# KiCad board panel.kicad_pcb (continued)
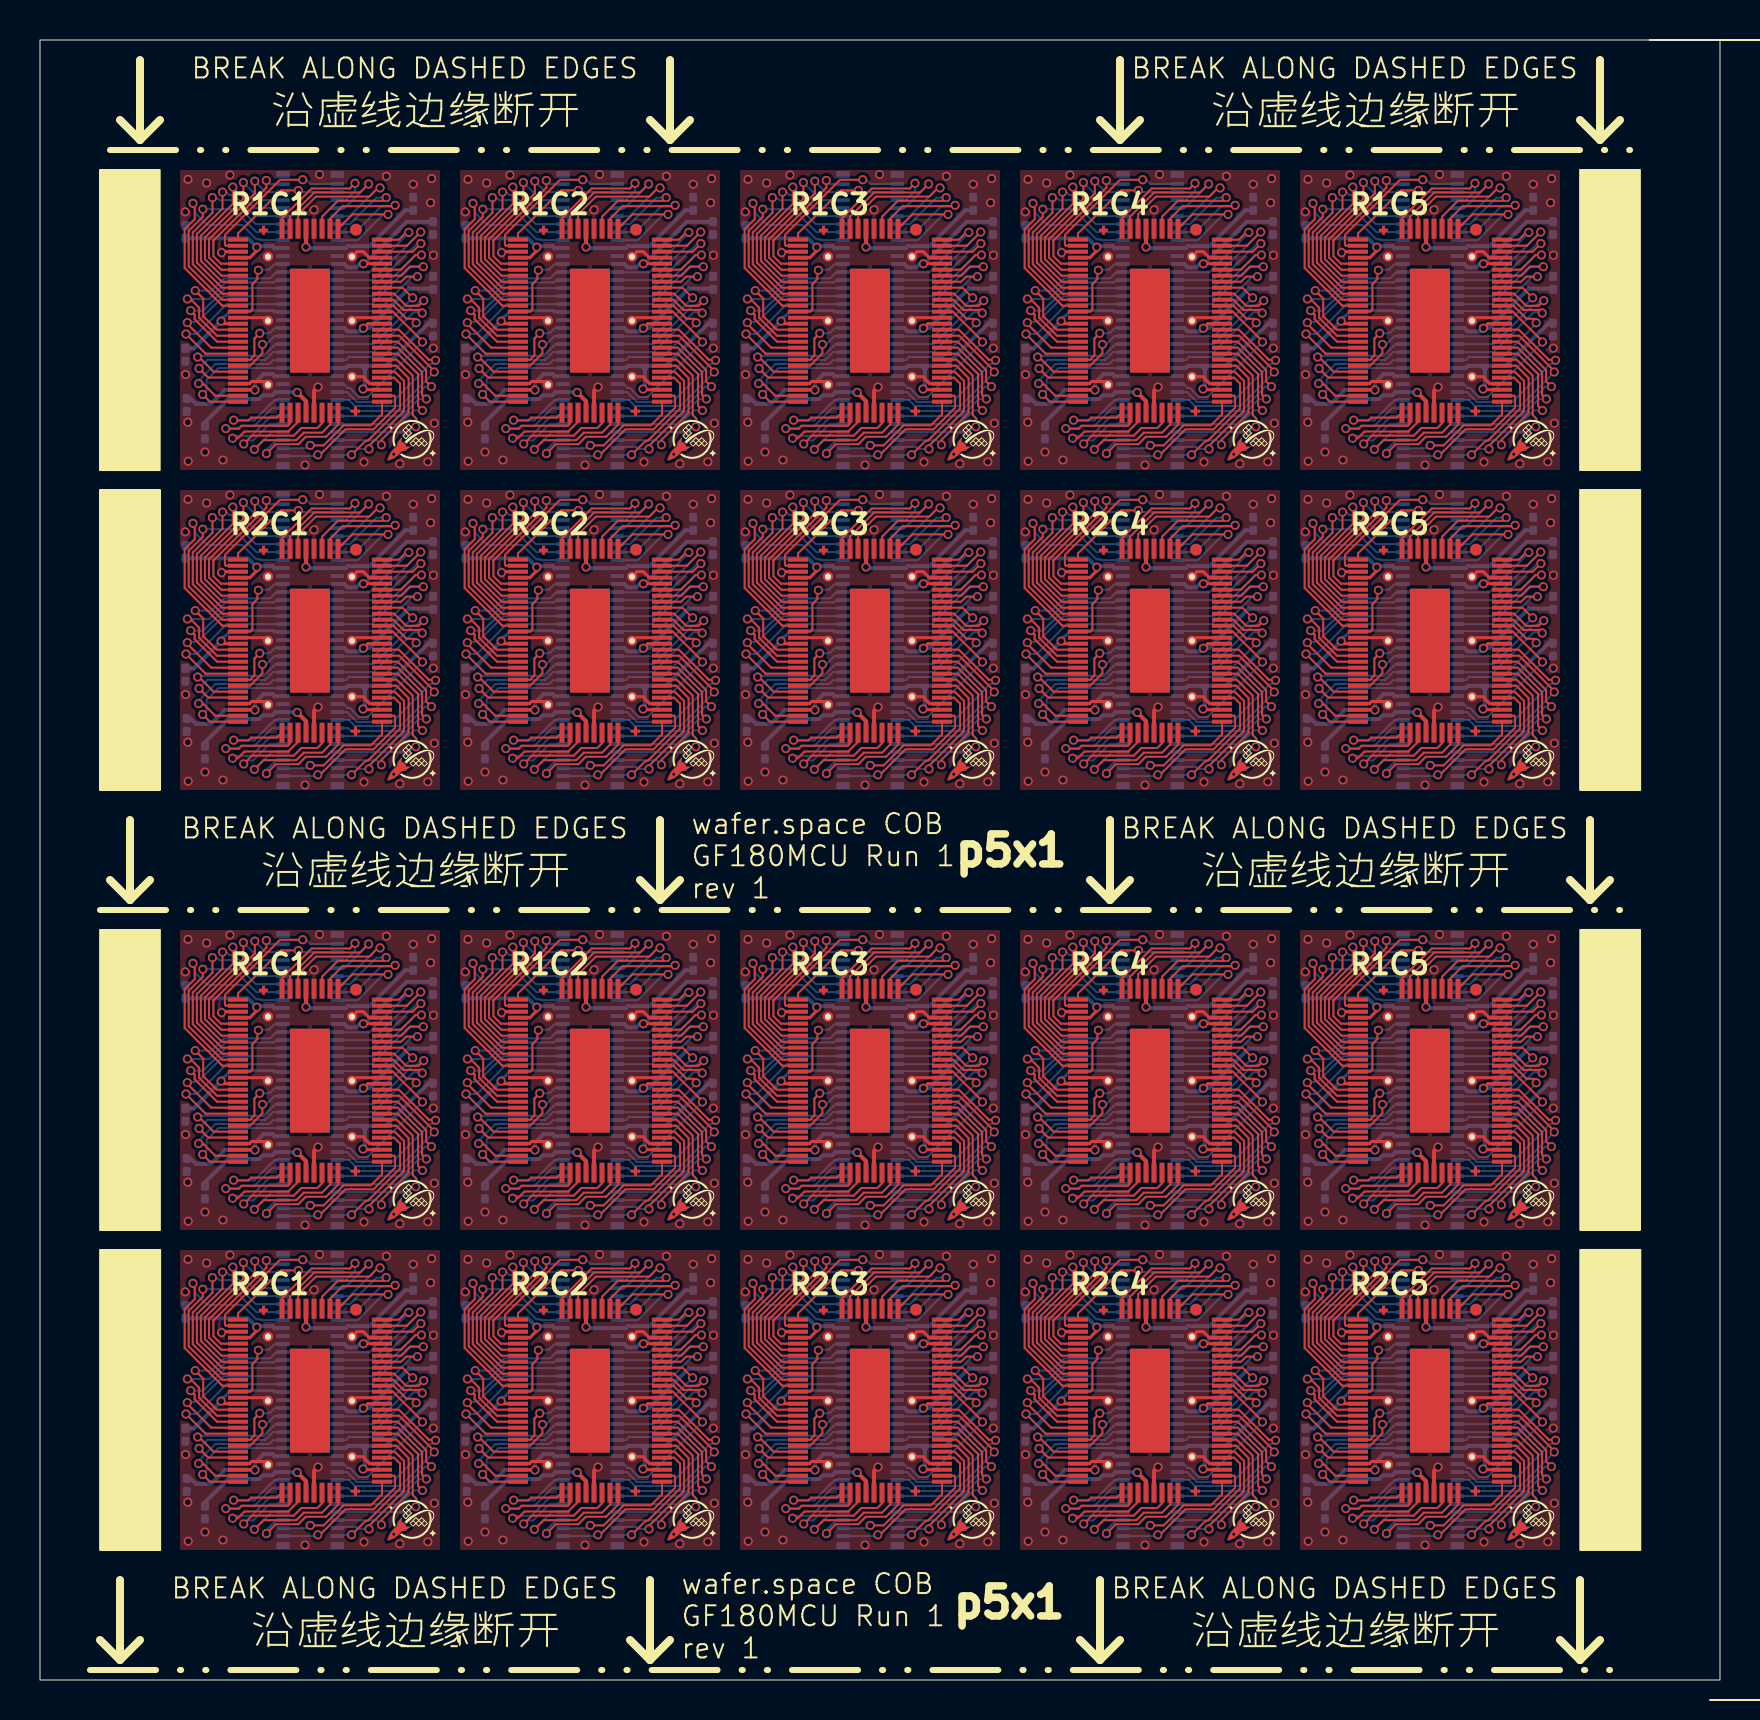
[diagram p0: board, top side]
## Routing (per net, layer and track width the routed paths; a pad name or vN(x,y) marks a point on that pad's centre or on a via; arc(x,y) is an arc through that point) (continued)
VDD_CORE_0: length 133.2
  Top w0.15: v1(38.75,48.5) 38.74,48.52 U116.34 ; v1(10.75,64.5) 10.74,64.52 U102#2.34 ; U120#2.34 66.74,48.52 v1(66.75,48.5) ; v1(10.75,26.5) 10.74,26.52 U102.34 ; v1(38.75,64.5) 38.74,64.52 U106#2.34 ; U112.34 10.74,48.52 v1(10.75,48.5) ; v1(52.75,26.5) 52.74,26.52 U108.34 ; U106.34 38.74,26.52 v1(38.75,26.5) ; U104.34 24.74,26.52 v1(24.75,26.5) ; v1(52.75,64.5) 52.74,64.52 U108#2.34 ; v1(10.75,10.5) 10.74,10.52 U112#2.34 ; v1(66.75,64.5) 66.74,64.52 U110#2.34 ; U120.34 66.74,10.52 v1(66.75,10.5) ; v1(52.75,10.5) 52.74,10.52 U118#2.34 ; v1(66.75,26.5) 66.74,26.52 U110.34 ; U114#2.34 24.74,10.52 v1(24.75,10.5) ; U118.34 52.74,48.52 v1(52.75,48.5) ; U116#2.34 38.74,10.52 v1(38.75,10.5) ; v1(24.75,64.5) 24.74,64.52 U104#2.34 ; v1(24.75,48.5) 24.74,48.52 U114.34
  Bottom w0.2: U111#2.46 11.72,11.2 11.62,11.3 11.18,11.3 10.75,10.86 v1(10.75,10.5) 9.25,10.5 8.56,9.81 7.79,9.81 7.53,10.07 C143.1 ; C151.1 21.53,10.07 21.79,9.81 22.56,9.81 23.25,10.5 v1(24.75,10.5) 24.75,10.86 25.18,11.3 25.62,11.3 25.72,11.2 U113#2.46 ; U115.46 39.72,11.2 39.62,11.3 39.18,11.3 38.75,10.86 v1(38.75,10.5) 37.25,10.5 36.56,9.81 35.79,9.81 35.53,10.07 C159#2.1 ; U107#2.46 53.72,27.2 53.62,27.3 53.18,27.3 52.75,26.86 v1(52.75,26.5) 51.25,26.5 50.56,25.81 49.79,25.81 49.53,26.07 C127#2.1 ; C151#2.1 21.53,48.07 21.79,47.81 22.56,47.81 23.25,48.5 v1(24.75,48.5) 24.75,48.86 25.18,49.3 25.62,49.3 25.72,49.2 U113.46 ; U115#2.46 39.72,49.2 39.62,49.3 39.18,49.3 38.75,48.86 v1(38.75,48.5) 37.25,48.5 36.56,47.81 35.79,47.81 35.53,48.07 C159.1 ; C119#2.1 35.53,26.07 35.79,25.81 36.56,25.81 37.25,26.5 v1(38.75,26.5) 38.75,26.86 39.18,27.3 39.62,27.3 39.72,27.2 U105.46 ; U101#2.46 11.72,27.2 11.62,27.3 11.18,27.3 10.75,26.86 v1(10.75,26.5) 9.25,26.5 8.56,25.81 7.79,25.81 7.53,26.07 C103#2.1 ; U101.46 11.72,65.19 11.62,65.3 11.18,65.3 10.75,64.86 v1(10.75,64.5) 9.25,64.5 8.56,63.81 7.79,63.81 7.53,64.07 C103.1 ; C135#2.1 63.53,26.07 63.79,25.81 64.56,25.81 65.25,26.5 v1(66.75,26.5) 66.75,26.86 67.18,27.3 67.62,27.3 67.72,27.2 U109#2.46 ; U105#2.46 39.72,65.19 39.62,65.3 39.18,65.3 38.75,64.86 v1(38.75,64.5) 37.25,64.5 36.56,63.81 35.79,63.81 35.53,64.07 C119.1 ; U117.46 53.72,11.2 53.62,11.3 53.18,11.3 52.75,10.86 v1(52.75,10.5) 51.25,10.5 50.56,9.81 49.79,9.81 49.53,10.07 C167.1 ; C111#2.1 21.53,64.07 21.79,63.81 22.56,63.81 23.25,64.5 v1(24.75,64.5) 24.75,64.86 25.18,65.3 25.62,65.3 25.72,65.19 U103#2.46 ; U119#2.46 67.72,49.2 67.62,49.3 67.18,49.3 66.75,48.86 v1(66.75,48.5) 65.25,48.5 64.56,47.81 63.79,47.81 63.53,48.07 C175#2.1 ; U111.46 11.72,49.2 11.62,49.3 11.18,49.3 10.75,48.86 v1(10.75,48.5) 9.25,48.5 8.56,47.81 7.79,47.81 7.53,48.07 C143#2.1 ; C127.1 49.53,64.07 49.79,63.81 50.56,63.81 51.25,64.5 v1(52.75,64.5) 52.75,64.86 53.18,65.3 53.62,65.3 53.72,65.19 U107.46 ; U119.46 67.72,11.2 67.62,11.3 67.18,11.3 66.75,10.86 v1(66.75,10.5) 65.25,10.5 64.56,9.81 63.79,9.81 63.53,10.07 C175.1 ; U109.46 67.72,65.19 67.62,65.3 67.18,65.3 66.75,64.86 v1(66.75,64.5) 65.25,64.5 64.56,63.81 63.79,63.81 63.53,64.07 C135.1 ; C111.1 21.53,26.07 21.79,25.81 22.56,25.81 23.25,26.5 v1(24.75,26.5) 24.75,26.86 25.18,27.3 25.62,27.3 25.72,27.2 U103.46 ; U117#2.46 53.72,49.2 53.62,49.3 53.18,49.3 52.75,48.86 v1(52.75,48.5) 51.25,48.5 50.56,47.81 49.79,47.81 49.53,48.07 C167#2.1
VDD_CORE_1: length 134.9
  Top w0.15: 30.16,16.81 30.24,16.81 30.24,16.81 U114#2.68 ; 58.16,16.81 58.24,16.81 58.24,16.81 U118#2.68 ; 44.16,54.81 44.24,54.81 44.24,54.81 U116.68 ; 72.16,54.81 72.24,54.81 72.25,54.81 U120#2.68 ; 30.16,70.81 30.24,70.81 30.24,70.81 31.1,70.81 ; 44.16,16.81 44.24,16.81 44.24,16.81 U116#2.68 ; 16.16,70.81 16.24,70.81 16.24,70.81 17.1,70.81 ; 44.16,32.81 44.24,32.81 44.24,32.81 U106.68 ; 16.16,54.81 16.24,54.81 16.24,54.81 U112.68 ; U118.68 58.24,54.81 58.24,54.81 58.16,54.81 ; 58.16,32.81 58.24,32.81 58.24,32.81 U108.68 ; U114.68 30.24,54.81 30.24,54.81 30.16,54.81 ; 72.16,70.81 72.24,70.81 72.25,70.81 73.1,70.81 ; U110.68 72.25,32.81 72.24,32.81 72.16,32.81 ; 16.16,16.81 16.24,16.81 16.24,16.81 U112#2.68 ; 45.1,70.81 44.24,70.81 44.24,70.81 44.16,70.81 ; U120.68 72.25,16.81 72.24,16.81 72.16,16.81 ; U104.68 30.24,32.81 30.24,32.81 30.16,32.81 ; U102.68 16.24,32.81 16.24,32.81 16.16,32.81 ; 58.16,70.81 58.24,70.81 58.24,70.81 59.1,70.81
  Bottom w0.2: C144.1 18.33,56.91 16.23,54.81 16.16,54.81 16.15,54.82 16,54.82 15.82,54.64 15.38,54.64 15.22,54.8 U111.11 ; C128.1 60.33,34.91 58.23,32.81 58.16,32.81 58.15,32.82 58,32.82 57.82,32.64 57.38,32.64 57.22,32.8 U107#2.11 ; U107.11 57.22,70.8 57.38,70.63 57.82,70.63 58,70.82 58.15,70.82 58.16,70.81 58.23,70.81 60.33,72.91 C128#2.1 ; U117#2.11 57.22,54.8 57.38,54.64 57.82,54.64 58,54.82 58.15,54.82 58.16,54.81 58.23,54.81 60.33,56.91 C168.1 ; U103.11 29.22,32.8 29.38,32.64 29.82,32.64 30,32.82 30.15,32.82 30.16,32.81 30.23,32.81 32.33,34.91 C112.1 ; U119.11 71.22,16.8 71.38,16.64 71.82,16.64 72,16.82 72.15,16.82 72.16,16.81 72.23,16.81 74.33,18.91 C176.1 ; C168#2.1 60.33,18.91 58.23,16.81 58.16,16.81 58.15,16.82 58,16.82 57.82,16.64 57.38,16.64 57.22,16.8 U117.11 ; C120#2.1 46.33,72.91 44.23,70.81 44.16,70.81 44.15,70.82 44,70.82 43.82,70.63 43.38,70.63 43.22,70.8 U105#2.11 ; U101#2.11 15.22,32.8 15.38,32.64 15.82,32.64 16,32.82 16.15,32.82 16.16,32.81 16.23,32.81 18.33,34.91 C104.1 ; C104#2.1 18.33,72.91 16.23,70.81 16.16,70.81 16.15,70.82 16,70.82 15.82,70.63 15.38,70.63 15.22,70.8 U101.11 ; C144#2.1 18.33,18.91 16.23,16.81 16.16,16.81 16.15,16.82 16,16.82 15.82,16.64 15.38,16.64 15.22,16.8 U111#2.11 ; U113#2.11 29.22,16.8 29.38,16.64 29.82,16.64 30,16.82 30.15,16.82 30.16,16.81 30.23,16.81 32.33,18.91 C152.1 ; C136.1 74.33,34.91 72.23,32.81 72.16,32.81 72.15,32.82 72,32.82 71.82,32.64 71.38,32.64 71.22,32.8 U109#2.11 ; C160.1 46.33,18.91 44.23,16.81 44.16,16.81 44.15,16.82 44,16.82 43.82,16.64 43.38,16.64 43.22,16.8 U115.11 ; U109.11 71.22,70.8 71.38,70.63 71.82,70.63 72,70.82 72.15,70.82 72.16,70.81 72.23,70.81 74.33,72.91 C136#2.1 ; C176#2.1 74.33,56.91 72.23,54.81 72.16,54.81 72.15,54.82 72,54.82 71.82,54.64 71.38,54.64 71.22,54.8 U119#2.11 ; U115#2.11 43.22,54.8 43.38,54.64 43.82,54.64 44,54.82 44.15,54.82 44.16,54.81 44.23,54.81 46.33,56.91 C160#2.1 ; C152#2.1 32.33,56.91 30.23,54.81 30.16,54.81 30.15,54.82 30,54.82 29.82,54.64 29.38,54.64 29.22,54.8 U113.11 ; U103#2.11 29.22,70.8 29.38,70.63 29.82,70.63 30,70.82 30.15,70.82 30.16,70.81 30.23,70.81 32.33,72.91 C112#2.1 ; U105.11 43.22,32.8 43.38,32.64 43.82,32.64 44,32.82 44.15,32.82 44.16,32.81 44.23,32.81 46.33,34.91 C120.1
  vias: v1(16.17,70.81) v1(16.17,54.81) v1(16.17,32.81) v1(16.17,16.81) v1(30.17,70.81) v1(30.17,54.81) v1(30.17,32.81) v1(30.17,16.81) v1(44.17,70.81) v1(44.17,54.81) v1(44.17,32.81) v1(44.17,16.81) v1(58.17,70.81) v1(58.17,54.81) v1(58.17,32.81) v1(58.17,16.81) v1(72.17,70.81) v1(72.17,54.81) v1(72.17,32.81) v1(72.17,16.81)
VDD_IO_0: length 127.9
  Top w0.15: v1(24.84,55.64) 24.84,55.46 24.49,55.11 23.9,55.11 ; v1(66.84,71.64) 66.84,71.46 66.5,71.12 U110#2.12 ; v1(66.84,55.64) 66.84,55.46 66.5,55.11 65.9,55.11 ; U106#2.12 38.49,71.12 38.84,71.46 v1(38.84,71.64) ; 65.9,17.11 66.5,17.11 66.84,17.46 v1(66.84,17.64) ; v1(24.84,71.64) 24.84,71.46 24.49,71.12 U104#2.12 ; U102#2.12 10.49,71.12 10.84,71.46 v1(10.84,71.64) ; 51.9,17.11 52.49,17.11 52.84,17.46 v1(52.84,17.64) ; v1(24.84,17.64) 24.84,17.46 24.49,17.11 23.9,17.11 ; v1(24.84,33.64) 24.84,33.46 24.49,33.11 23.9,33.11 ; U108#2.12 52.49,71.12 52.84,71.46 v1(52.84,71.64) ; 65.9,33.11 66.5,33.11 66.84,33.46 v1(66.84,33.64) ; 9.9,17.11 10.49,17.11 10.84,17.46 v1(10.84,17.64) ; v1(38.84,33.64) 38.84,33.46 38.49,33.11 37.9,33.11 ; v1(10.84,33.64) 10.84,33.46 10.49,33.11 9.9,33.11 ; v1(52.84,55.64) 52.84,55.46 52.49,55.11 51.9,55.11 ; v1(10.84,55.64) 10.84,55.46 10.49,55.11 9.9,55.11 ; v1(38.84,55.64) 38.84,55.46 38.49,55.11 37.9,55.11 ; v1(52.84,33.64) 52.84,33.46 52.49,33.11 51.9,33.11 ; v1(38.84,17.64) 38.84,17.46 38.49,17.11 37.9,17.11
  Bottom w0.2: C123.1 38.4,72.09 v1(38.84,71.64) 38.9,71.69 39.62,71.69 39.72,71.59 U105#2.62 ; U111#2.62 11.72,17.59 11.62,17.7 10.9,17.7 v1(10.84,17.64) 10.4,18.08 C147.1 ; U117.62 53.72,17.59 53.62,17.7 52.9,17.7 v1(52.84,17.64) 52.4,18.08 C171.1 ; U115#2.62 39.72,55.59 39.62,55.7 38.9,55.7 v1(38.84,55.64) 38.4,56.08 C163#2.1 ; C107.1 10.4,72.09 v1(10.84,71.64) 10.9,71.69 11.62,71.69 11.72,71.59 U101.62 ; U105.62 39.72,33.59 39.62,33.7 38.9,33.7 v1(38.84,33.64) 38.4,34.08 C123#2.1 ; U107.62 53.72,71.59 53.62,71.69 52.9,71.69 v1(52.84,71.64) 52.4,72.09 C131.1 ; C179#2.1 66.4,18.08 v1(66.84,17.64) 66.9,17.7 67.62,17.7 67.72,17.59 U119.62 ; C139#2.1 66.4,34.08 v1(66.84,33.64) 66.9,33.7 67.62,33.7 67.72,33.59 U109#2.62 ; U103#2.62 25.72,71.59 25.62,71.69 24.9,71.69 v1(24.84,71.64) 24.4,72.09 C115.1 ; C115#2.1 24.4,34.08 v1(24.84,33.64) 24.9,33.7 25.62,33.7 25.72,33.59 U103.62 ; U101#2.62 11.72,33.59 11.62,33.7 10.9,33.7 v1(10.84,33.64) 10.4,34.08 C107#2.1 ; C147#2.1 10.4,56.08 v1(10.84,55.64) 10.9,55.7 11.62,55.7 11.72,55.59 U111.62 ; U109.62 67.72,71.59 67.62,71.69 66.9,71.69 v1(66.84,71.64) 66.4,72.09 C139.1 ; U107#2.62 53.72,33.59 53.62,33.7 52.9,33.7 v1(52.84,33.64) 52.4,34.08 C131#2.1 ; C171#2.1 52.4,56.08 v1(52.84,55.64) 52.9,55.7 53.62,55.7 53.72,55.59 U117#2.62 ; U115.62 39.72,17.59 39.62,17.7 38.9,17.7 v1(38.84,17.64) 38.4,18.08 C163.1 ; U119#2.62 67.72,55.59 67.62,55.7 66.9,55.7 v1(66.84,55.64) 66.4,56.08 C179.1 ; C155#2.1 24.4,56.08 v1(24.84,55.64) 24.9,55.7 25.62,55.7 25.72,55.59 U113.62 ; U113#2.62 25.72,17.59 25.62,17.7 24.9,17.7 v1(24.84,17.64) 24.4,18.08 C155.1
VDD_IO_1: length 132.5
  Top w0.2: U106#2.40 41.3,63.94 v1(40.86,64.38) ; v1(26.86,64.38) 27.3,63.94 U104#2.40 ; v1(68.86,26.38) 69.3,25.94 U110.40 ; U104.40 27.3,25.94 v1(26.86,26.38) ; U120.40 69.3,9.94 v1(68.86,10.38) ; U112#2.40 13.3,9.94 v1(12.86,10.38) ; U116#2.40 41.3,9.94 v1(40.86,10.38) ; v1(54.86,10.38) 55.3,9.94 U118#2.40 ; v1(12.86,64.38) 13.3,63.94 U102#2.40 ; v1(12.86,48.38) 13.3,47.94 U112.40 ; U118.40 55.3,47.94 v1(54.86,48.38) ; U120#2.40 69.3,47.94 v1(68.86,48.38) ; U108#2.40 55.3,63.94 v1(54.86,64.38) ; U114.40 27.3,47.94 v1(26.86,48.38) ; U102.40 13.3,25.94 v1(12.86,26.38) ; U116.40 41.3,47.94 v1(40.86,48.38) ; U108.40 55.3,25.94 v1(54.86,26.38) ; v1(26.86,10.38) 27.3,9.94 U114#2.40 ; v1(40.86,26.38) 41.3,25.94 U106.40 ; v1(68.86,64.38) 69.3,63.94 U110#2.40
  Bottom w0.2: C125#2.1 50.25,24.89 51.41,26.05 52.95,26.05 53.13,26.23 53.62,26.23 53.78,26.39 54.85,26.39 v1(54.86,26.38) ; v1(40.86,48.38) 40.85,48.39 39.78,48.39 39.62,48.23 39.13,48.23 38.95,48.05 37.41,48.05 36.25,46.89 C157#2.1 ; v1(54.86,10.38) 54.85,10.39 53.78,10.39 53.62,10.23 53.13,10.23 52.95,10.05 51.41,10.05 50.25,8.89 C165.1 ; C117#2.1 36.25,62.89 37.41,64.05 38.95,64.05 39.13,64.23 39.62,64.23 39.78,64.4 U105#2.44 40.85,64.4 v1(40.86,64.38) ; v1(68.86,10.38) 68.84,10.39 67.78,10.39 67.62,10.23 67.13,10.23 66.95,10.05 65.41,10.05 64.25,8.89 C173.1 ; v1(12.86,64.38) 12.85,64.4 U101.44 11.78,64.4 11.62,64.23 11.13,64.23 10.95,64.05 9.41,64.05 8.25,62.89 C101#2.1 ; C149#2.1 22.25,46.89 23.41,48.05 24.95,48.05 25.13,48.23 25.62,48.23 25.78,48.39 26.85,48.39 v1(26.86,48.38) ; v1(40.86,10.38) 40.85,10.39 39.78,10.39 39.62,10.23 39.13,10.23 38.95,10.05 37.41,10.05 36.25,8.89 C157.1 ; C133#2.1 64.25,62.89 65.41,64.05 66.95,64.05 67.13,64.23 67.62,64.23 67.78,64.4 U109.44 68.84,64.4 v1(68.86,64.38) ; C149.1 22.25,8.89 23.41,10.05 24.95,10.05 25.13,10.23 25.62,10.23 25.78,10.39 26.85,10.39 v1(26.86,10.38) ; C165#2.1 50.25,46.89 51.41,48.05 52.95,48.05 53.13,48.23 53.62,48.23 53.78,48.39 54.85,48.39 v1(54.86,48.38) ; v1(12.86,26.38) 12.85,26.39 11.78,26.39 11.62,26.23 11.13,26.23 10.95,26.05 9.41,26.05 8.25,24.89 C101.1 ; v1(26.86,64.38) 26.85,64.4 U103#2.44 25.78,64.4 25.62,64.23 25.13,64.23 24.95,64.05 23.41,64.05 22.25,62.89 C109#2.1 ; v1(68.86,26.38) 68.84,26.39 67.78,26.39 67.62,26.23 67.13,26.23 66.95,26.05 65.41,26.05 64.25,24.89 C133.1 ; C117.1 36.25,24.89 37.41,26.05 38.95,26.05 39.13,26.23 39.62,26.23 39.78,26.39 40.85,26.39 v1(40.86,26.38) ; v1(12.86,10.38) 12.85,10.39 11.78,10.39 11.62,10.23 11.13,10.23 10.95,10.05 9.41,10.05 8.25,8.89 C141.1 ; v1(26.86,26.38) 26.85,26.39 25.78,26.39 25.62,26.23 25.13,26.23 24.95,26.05 23.41,26.05 22.25,24.89 C109.1 ; v1(54.86,64.38) 54.85,64.4 U107.44 53.78,64.4 53.62,64.23 53.13,64.23 52.95,64.05 51.41,64.05 50.25,62.89 C125.1 ; v1(68.86,48.38) 68.84,48.39 67.78,48.39 67.62,48.23 67.13,48.23 66.95,48.05 65.41,48.05 64.25,46.89 C173#2.1 ; C141#2.1 8.25,46.89 9.41,48.05 10.95,48.05 11.13,48.23 11.62,48.23 11.78,48.39 12.85,48.39 v1(12.86,48.38)
VDD_IO_2: length 164.6
  Top w0.15: U118.47 58.18,48.52 v1(58.15,48.55) ; U108#2.47 58.18,64.52 v1(58.15,64.55) ; v1(44.15,10.55) 44.18,10.52 U116#2.47 ; U110#2.47 72.19,64.52 v1(72.15,64.55) ; v1(16.15,26.55) 16.18,26.52 U102.47 ; v1(58.15,26.55) 58.18,26.52 U108.47 ; U118#2.47 58.18,10.52 v1(58.15,10.55) ; U116.47 44.18,48.52 v1(44.15,48.55) ; v1(44.15,26.55) 44.18,26.52 U106.47 ; U104.47 30.18,26.52 v1(30.15,26.55) ; v1(16.15,10.55) 16.18,10.52 U112#2.47 ; U114.47 30.18,48.52 v1(30.15,48.55) ; v1(16.15,64.55) 16.18,64.52 U102#2.47 ; U112.47 16.18,48.52 v1(16.15,48.55) ; v1(72.15,48.55) 72.19,48.52 U120#2.47 ; U120.47 72.19,10.52 v1(72.15,10.55) ; U104#2.47 30.18,64.52 v1(30.15,64.55) ; U114#2.47 30.18,10.52 v1(30.15,10.55) ; v1(44.15,64.55) 44.18,64.52 U106#2.47 ; v1(72.15,26.55) 72.19,26.52 U110.47
  Bottom w0.2: 16.25,49.51 16.25,49.56 16.4,49.71 ; 16.25,49.51 16.05,49.71 ; 16.25,49.51 16.25,48.65 v1(16.15,48.55) ; C132#2.1 61.42,29.84 61.26,29.68 61.26,29.67 60.99,29.41 60.99,29.41 59.29,27.71 58.4,27.71 ; 30.25,65.51 30.25,65.56 30.4,65.71 ; 30.25,65.51 30.05,65.71 ; 30.25,65.51 30.25,64.65 v1(30.15,64.55) ; 44.25,49.51 44.25,48.65 v1(44.15,48.55) ; 44.25,49.51 44.05,49.71 ; 44.25,49.51 44.25,49.56 44.4,49.71 ; 16.25,27.51 16.25,26.65 v1(16.15,26.55) ; 16.25,27.51 16.25,27.56 16.4,27.71 ; 16.25,27.51 16.05,27.71 ; 16.4,27.71 17.29,27.71 18.99,29.41 18.99,29.41 19.26,29.67 19.26,29.68 19.42,29.84 C108.1 ; 16.4,27.71 16.05,27.71 ; v1(30.15,48.55) 30.25,48.65 30.25,49.51 ; 58.05,27.71 57.4,27.71 57.28,27.59 U107#2.24 ; 58.05,27.71 58.4,27.71 ; 58.05,27.71 58.25,27.51 ; 30.05,27.71 29.4,27.71 29.28,27.59 U103.24 ; 30.05,27.71 30.25,27.51 ; 30.05,27.71 30.4,27.71 ; 30.4,11.71 31.29,11.71 32.99,13.41 32.99,13.41 33.26,13.67 33.26,13.68 33.42,13.84 C156.1 ; 30.4,11.71 30.05,11.71 ; 30.4,11.71 30.25,11.56 30.25,11.51 ; 58.4,65.71 58.25,65.56 58.25,65.51 ; 58.4,65.71 58.05,65.71 ; 58.4,65.71 59.29,65.71 60.99,67.41 60.99,67.41 61.26,67.67 61.26,67.68 61.42,67.84 C132.1 ; 16.4,49.71 16.05,49.71 ; 16.4,49.71 17.29,49.71 18.99,51.41 18.99,51.41 19.26,51.67 19.26,51.68 19.42,51.84 C148#2.1 ; 16.05,49.71 15.4,49.71 15.28,49.59 U111.24 ; 44.4,27.71 44.05,27.71 ; 44.4,27.71 45.29,27.71 46.99,29.41 46.99,29.41 47.26,29.67 47.26,29.68 47.42,29.84 C124.1 ; 44.4,27.71 44.25,27.56 44.25,27.51 ; 44.05,27.71 43.4,27.71 43.28,27.59 U105.24 ; 44.05,27.71 44.25,27.51 ; 30.4,49.71 31.29,49.71 32.99,51.41 32.99,51.41 33.26,51.67 33.26,51.68 33.42,51.84 C156#2.1 ; 30.4,49.71 30.25,49.56 30.25,49.51 ; 30.4,49.71 30.05,49.71 ; v1(58.15,48.55) 58.25,48.65 58.25,49.51 ; 16.25,65.51 16.25,65.56 16.4,65.71 ; 16.25,65.51 16.25,64.65 v1(16.15,64.55) ; 16.25,65.51 16.05,65.71 ; 58.25,11.51 58.25,11.56 58.4,11.71 ; 58.25,11.51 58.25,10.65 v1(58.15,10.55) ; 58.25,11.51 58.05,11.71 ; 58.4,27.71 58.25,27.56 58.25,27.51 ; 72.05,49.71 71.4,49.71 71.28,49.59 U119#2.24 ; 72.05,49.71 72.25,49.51 ; 72.05,49.71 72.4,49.71 ; 44.4,49.71 45.29,49.71 46.99,51.41 46.99,51.41 47.26,51.67 47.26,51.68 47.42,51.84 C164#2.1 ; 44.4,49.71 44.05,49.71 ; 58.05,49.71 58.25,49.51 ; 58.05,49.71 57.4,49.71 57.28,49.59 U117#2.24 ; 58.05,49.71 58.4,49.71 ; 58.25,49.51 58.25,49.56 58.4,49.71 ; 44.25,27.51 44.25,26.65 v1(44.15,26.55) ; U117.24 57.28,11.59 57.4,11.71 58.05,11.71 ; 16.05,11.71 15.4,11.71 15.28,11.59 U111#2.24 ; 16.05,11.71 16.25,11.51 ; 16.05,11.71 16.4,11.71 ; 72.25,49.51 72.25,48.65 v1(72.15,48.55) ; 72.25,49.51 72.25,49.56 72.4,49.71 ; 72.4,65.71 72.25,65.56 72.25,65.51 ; 72.4,65.71 73.29,65.71 74.99,67.41 74.99,67.41 75.26,67.67 75.26,67.68 75.42,67.84 C140.1 ; 72.4,65.71 72.05,65.71 ; 72.25,11.51 72.25,10.65 v1(72.15,10.55) ; 72.25,11.51 72.25,11.56 72.4,11.71 ; 72.25,11.51 72.05,11.71 ; C140#2.1 75.42,29.84 75.26,29.68 75.26,29.67 74.99,29.41 74.99,29.41 73.29,27.71 72.4,27.71 ; 58.05,65.71 57.4,65.71 57.28,65.59 U107.24 ; 58.05,65.71 58.25,65.51 ; 44.05,49.71 43.4,49.71 43.28,49.59 U115#2.24 ; 58.25,65.51 58.25,64.65 v1(58.15,64.55) ; 72.05,27.71 71.4,27.71 71.28,27.59 U109#2.24 ; 72.05,27.71 72.25,27.51 ; 72.05,27.71 72.4,27.71 ; 44.25,65.51 44.25,64.65 v1(44.15,64.55) ; 44.25,65.51 44.25,65.56 44.4,65.71 ; 44.25,65.51 44.05,65.71 ; U103#2.24 29.28,65.59 29.4,65.71 30.05,65.71 ; 30.25,11.51 30.05,11.71 ; 30.25,11.51 30.25,10.65 v1(30.15,10.55) ; 16.25,11.51 16.25,11.56 16.4,11.71 ; 16.25,11.51 16.25,10.65 v1(16.15,10.55) ; 44.05,11.71 44.25,11.51 ; 44.05,11.71 43.4,11.71 43.28,11.59 U115.24 ; 44.05,11.71 44.4,11.71 ; 44.25,11.51 44.25,10.65 v1(44.15,10.55) ; 44.25,11.51 44.25,11.56 44.4,11.71 ; 30.25,49.51 30.05,49.71 ; 58.4,11.71 58.05,11.71 ; 58.4,11.71 59.29,11.71 60.99,13.41 60.99,13.41 61.26,13.67 61.26,13.68 61.42,13.84 C172.1 ; 16.05,27.71 15.4,27.71 15.28,27.59 U101#2.24 ; 72.4,11.71 73.29,11.71 74.99,13.41 74.99,13.41 75.26,13.67 75.26,13.68 75.42,13.84 C180#2.1 ; 72.4,11.71 72.05,11.71 ; C164.1 47.42,13.84 47.26,13.68 47.26,13.67 46.99,13.41 46.99,13.41 45.29,11.71 44.4,11.71 ; 30.25,27.51 30.25,27.56 30.4,27.71 ; 30.25,27.51 30.25,26.65 v1(30.15,26.55) ; 16.4,65.71 16.05,65.71 ; 16.4,65.71 17.29,65.71 18.99,67.41 18.99,67.41 19.26,67.67 19.26,67.68 19.42,67.84 C108#2.1 ; 16.05,65.71 15.4,65.71 15.28,65.59 U101.24 ; 72.25,65.51 72.05,65.71 ; 72.25,65.51 72.25,64.65 v1(72.15,64.55) ; 72.25,27.51 72.25,27.56 72.4,27.71 ; 72.25,27.51 72.25,26.65 v1(72.15,26.55) ; 30.05,11.71 29.4,11.71 29.28,11.59 U113#2.24 ; 58.25,27.51 58.25,26.65 v1(58.15,26.55) ; 72.05,65.71 71.4,65.71 71.28,65.59 U109.24 ; 16.4,11.71 17.29,11.71 18.99,13.41 18.99,13.41 19.26,13.67 19.26,13.68 19.42,13.84 C148.1 ; 72.05,11.71 71.4,11.71 71.28,11.59 U119.24 ; 30.4,27.71 31.29,27.71 32.99,29.41 32.99,29.41 33.26,29.67 33.26,29.68 33.42,29.84 C116#2.1 ; 58.4,49.71 59.29,49.71 60.99,51.41 60.99,51.41 61.26,51.67 61.26,51.68 61.42,51.84 C172#2.1 ; 30.05,65.71 30.4,65.71 ; U113.24 29.28,49.59 29.4,49.71 30.05,49.71 ; 44.4,65.71 44.05,65.71 ; 44.4,65.71 45.29,65.71 46.99,67.41 46.99,67.41 47.26,67.67 47.26,67.68 47.42,67.84 C124#2.1 ; 44.05,65.71 43.4,65.71 43.28,65.59 U105#2.24 ; 30.4,65.71 31.29,65.71 32.99,67.41 32.99,67.41 33.26,67.67 33.26,67.68 33.42,67.84 C116.1 ; 72.4,49.71 73.29,49.71 74.99,51.41 74.99,51.41 75.26,51.67 75.26,51.68 75.42,51.84 C180.1
VDD_IO_3: length 141.7
  Top w0.2: U118.5 v1(55.3,55.65) ; U104.5 v1(27.3,33.65) ; U110.5 v1(69.3,33.65) ; U104#2.5 v1(27.3,71.65) ; U120.5 v1(69.3,17.65) ; U110#2.5 v1(69.3,71.65) ; U118#2.5 v1(55.3,17.65) ; U106.5 v1(41.3,33.65) ; U108#2.5 v1(55.3,71.65) ; U112#2.5 v1(13.3,17.65) ; U112.5 v1(13.3,55.65) ; U114.5 v1(27.3,55.65) ; U116#2.5 v1(41.3,17.65) ; U108.5 v1(55.3,33.65) ; U120#2.5 v1(69.3,55.65) ; U114#2.5 v1(27.3,17.65) ; U102.5 v1(13.3,33.65) ; U102#2.5 v1(13.3,71.65) ; U106#2.5 v1(41.3,71.65) ; U116.5 v1(41.3,55.65)
  Bottom w0.2: C134.1 74.27,73.49 72.47,71.69 71.38,71.69 71.28,71.59 U109.9 69.35,71.59 v1(69.3,71.65) ; v1(41.3,55.65) 41.35,55.59 U115#2.9 43.28,55.59 43.38,55.7 44.48,55.7 46.27,57.49 C158.1 ; C110#2.1 32.27,35.49 30.48,33.7 29.38,33.7 29.28,33.59 U103.9 27.35,33.59 v1(27.3,33.65) ; v1(55.3,55.65) 55.35,55.59 U117#2.9 57.28,55.59 57.38,55.7 58.48,55.7 60.27,57.49 C166#2.1 ; v1(69.3,33.65) 69.35,33.59 U109#2.9 71.28,33.59 71.38,33.7 72.47,33.7 74.27,35.49 C134#2.1 ; C158#2.1 46.27,19.49 44.48,17.7 43.38,17.7 43.28,17.59 U115.9 41.35,17.59 v1(41.3,17.65) ; v1(13.3,71.65) 13.35,71.59 U101.9 15.28,71.59 15.38,71.69 16.48,71.69 18.27,73.49 C102#2.1 ; C166.1 60.27,19.49 58.48,17.7 57.38,17.7 57.28,17.59 U117.9 55.35,17.59 v1(55.3,17.65) ; C118.1 46.27,73.49 44.48,71.69 43.38,71.69 43.28,71.59 U105#2.9 41.35,71.59 v1(41.3,71.65) ; v1(27.3,71.65) 27.35,71.59 U103#2.9 29.28,71.59 29.38,71.69 30.48,71.69 32.27,73.49 C110.1 ; C174.1 74.27,19.49 72.47,17.7 71.38,17.7 71.28,17.59 U119.9 69.35,17.59 v1(69.3,17.65) ; C142.1 18.27,57.49 16.48,55.7 15.38,55.7 15.28,55.59 U111.9 13.35,55.59 v1(13.3,55.65) ; C126#2.1 60.27,35.49 58.48,33.7 57.38,33.7 57.28,33.59 U107#2.9 55.35,33.59 v1(55.3,33.65) ; C102.1 18.27,35.49 16.48,33.7 15.38,33.7 15.28,33.59 U101#2.9 13.35,33.59 v1(13.3,33.65) ; v1(55.3,71.65) 55.35,71.59 U107.9 57.28,71.59 57.38,71.69 58.48,71.69 60.27,73.49 C126.1 ; C150.1 32.27,19.49 30.48,17.7 29.38,17.7 29.28,17.59 U113#2.9 27.35,17.59 v1(27.3,17.65) ; v1(27.3,55.65) 27.35,55.59 U113.9 29.28,55.59 29.38,55.7 30.48,55.7 32.27,57.49 C150#2.1 ; C118#2.1 46.27,35.49 44.48,33.7 43.38,33.7 43.28,33.59 U105.9 41.35,33.59 v1(41.3,33.65) ; C174#2.1 74.27,57.49 72.47,55.7 71.38,55.7 71.28,55.59 U119#2.9 69.35,55.59 v1(69.3,55.65) ; C142#2.1 18.27,19.49 16.48,17.7 15.38,17.7 15.28,17.59 U111#2.9 13.35,17.59 v1(13.3,17.65)
/an_0: length 109.5
  Top w0.1: U104#2.37 25.85,63.12 24.56,63.12 24.42,62.98 23.69,62.98 v1(23.68,62.99) ; v1(23.68,46.99) 23.69,46.98 24.42,46.98 24.56,47.12 25.85,47.12 U114.37 ; v1(9.68,8.99) 9.69,8.98 10.42,8.98 10.56,9.12 11.85,9.12 U112#2.37 ; v1(9.68,62.99) 9.69,62.98 10.42,62.98 10.56,63.12 11.85,63.12 U102#2.37 ; v1(51.68,8.99) 51.69,8.98 52.42,8.98 52.56,9.12 53.85,9.12 U118#2.37 ; U110.37 67.85,25.12 66.56,25.12 66.42,24.98 65.69,24.98 v1(65.68,24.99) ; U110#2.37 67.85,63.12 66.56,63.12 66.42,62.98 65.69,62.98 v1(65.68,62.99) ; U116#2.37 39.85,9.12 38.56,9.12 38.42,8.98 37.69,8.98 v1(37.68,8.99) ; v1(37.68,24.99) 37.69,24.98 38.42,24.98 38.56,25.12 39.85,25.12 U106.37 ; U108#2.37 53.85,63.12 52.56,63.12 52.42,62.98 51.69,62.98 v1(51.68,62.99) ; U108.37 53.85,25.12 52.56,25.12 52.42,24.98 51.69,24.98 v1(51.68,24.99) ; U120.37 67.85,9.12 66.56,9.12 66.42,8.98 65.69,8.98 v1(65.68,8.99) ; v1(9.68,46.99) 9.69,46.98 10.42,46.98 10.56,47.12 11.85,47.12 U112.37 ; U104.37 25.85,25.12 24.56,25.12 24.42,24.98 23.69,24.98 v1(23.68,24.99) ; U120#2.37 67.85,47.12 66.56,47.12 66.42,46.98 65.69,46.98 v1(65.68,46.99) ; U106#2.37 39.85,63.12 38.56,63.12 38.42,62.98 37.69,62.98 v1(37.68,62.99) ; U118.37 53.85,47.12 52.56,47.12 52.42,46.98 51.69,46.98 v1(51.68,46.99) ; U116.37 39.85,47.12 38.56,47.12 38.42,46.98 37.69,46.98 v1(37.68,46.99) ; v1(23.68,8.99) 23.69,8.98 24.42,8.98 24.56,9.12 25.85,9.12 U114#2.37 ; v1(9.68,24.99) 9.69,24.98 10.42,24.98 10.56,25.12 11.85,25.12 U102.37
  Bottom w0.1: U103#2.43 25.73,63.99 24.72,62.99 23.68,62.99 v1(23.68,62.99) ; U117#2.43 53.73,48 52.72,46.99 51.68,46.99 v1(51.68,46.99) ; U115.43 39.73,10 38.72,8.99 37.68,8.99 v1(37.68,8.99) ; v1(51.68,8.99) 51.68,8.99 52.72,8.99 53.73,10 U117.43 ; U111#2.43 11.73,10 10.72,8.99 9.68,8.99 v1(9.68,8.99) ; v1(23.68,24.99) 23.68,24.99 24.72,24.99 25.73,26 U103.43 ; U101.43 11.73,63.99 10.72,62.99 9.68,62.99 v1(9.68,62.99) ; v1(65.68,62.99) 65.68,62.99 66.72,62.99 67.72,63.99 U109.43 ; v1(51.68,24.99) 51.68,24.99 52.72,24.99 53.73,26 U107#2.43 ; v1(37.68,62.99) 37.68,62.99 38.72,62.99 39.73,63.99 U105#2.43 ; v1(65.68,8.99) 65.68,8.99 66.72,8.99 67.72,10 U119.43 ; U101#2.43 11.73,26 10.72,24.99 9.68,24.99 v1(9.68,24.99) ; U113.43 25.73,48 24.72,46.99 23.68,46.99 v1(23.68,46.99) ; v1(51.68,62.99) 51.68,62.99 52.72,62.99 53.73,63.99 U107.43 ; v1(23.68,8.99) 23.68,8.99 24.72,8.99 25.73,10 U113#2.43 ; v1(65.68,46.99) 65.68,46.99 66.72,46.99 67.72,48 U119#2.43 ; v1(37.68,46.99) 37.68,46.99 38.72,46.99 39.73,48 U115#2.43 ; v1(65.68,24.99) 65.68,24.99 66.72,24.99 67.72,26 U109#2.43 ; v1(37.68,24.99) 37.68,24.99 38.72,24.99 39.73,26 U105.43 ; U111.43 11.73,48 10.72,46.99 9.68,46.99 v1(9.68,46.99)
/an_1: length 142.8
  Top w0.1: U108.38 54.5,24.83 54.38,24.71 52.09,24.71 51.95,24.57 v1(51.29,24.57) ; v1(51.29,8.57) 51.95,8.57 52.09,8.71 54.38,8.71 54.5,8.83 U118#2.38 ; v1(37.29,46.57) 37.95,46.57 38.09,46.71 40.38,46.71 40.5,46.83 U116.38 ; U118.38 54.5,46.83 54.38,46.71 52.09,46.71 51.95,46.57 v1(51.29,46.57) ; U112.38 12.5,46.83 12.38,46.71 10.09,46.71 9.95,46.57 v1(9.29,46.57) ; v1(65.29,62.57) 65.95,62.57 66.09,62.71 68.38,62.71 68.5,62.83 U110#2.38 ; v1(23.29,8.57) 23.95,8.57 24.09,8.71 26.38,8.71 26.5,8.83 U114#2.38 ; U102#2.38 12.5,62.83 12.38,62.71 10.09,62.71 9.95,62.57 v1(9.29,62.57) ; U114.38 26.5,46.83 26.38,46.71 24.09,46.71 23.95,46.57 v1(23.29,46.57) ; U112#2.38 12.5,8.83 12.38,8.71 10.09,8.71 9.95,8.57 v1(9.29,8.57) ; U116#2.38 40.5,8.83 40.38,8.71 38.09,8.71 37.95,8.57 v1(37.29,8.57) ; U106.38 40.5,24.83 40.38,24.71 38.09,24.71 37.95,24.57 v1(37.29,24.57) ; U106#2.38 40.5,62.83 40.38,62.71 38.09,62.71 37.95,62.57 v1(37.29,62.57) ; U120.38 68.5,8.83 68.38,8.71 66.09,8.71 65.95,8.57 v1(65.29,8.57) ; v1(23.29,62.57) 23.95,62.57 24.09,62.71 26.38,62.71 26.5,62.83 U104#2.38 ; v1(23.29,24.57) 23.95,24.57 24.09,24.71 26.38,24.71 26.5,24.83 U104.38 ; U102.38 12.5,24.83 12.38,24.71 10.09,24.71 9.95,24.57 v1(9.29,24.57) ; v1(65.29,46.57) 65.95,46.57 66.09,46.71 68.38,46.71 68.5,46.83 U120#2.38 ; U108#2.38 54.5,62.83 54.38,62.71 52.09,62.71 51.95,62.57 v1(51.29,62.57) ; v1(65.29,24.57) 65.95,24.57 66.09,24.71 68.38,24.71 68.5,24.83 U110.38
  Bottom w0.1: U103.42 25.61,25.59 24.73,24.71 24.07,24.71 23.93,24.57 v1(23.29,24.57) ; U107.42 53.61,63.59 52.73,62.71 52.07,62.71 51.93,62.57 v1(51.29,62.57) ; U111.42 11.61,47.59 10.73,46.71 10.07,46.71 9.93,46.57 v1(9.29,46.57) ; v1(37.29,62.57) 37.93,62.57 38.07,62.71 38.73,62.71 39.61,63.59 U105#2.42 ; v1(65.29,62.57) 65.93,62.57 66.07,62.71 66.73,62.71 67.61,63.59 U109.42 ; v1(9.29,8.57) 9.93,8.57 10.07,8.71 10.73,8.71 11.61,9.59 U111#2.42 ; U103#2.42 25.61,63.59 24.73,62.71 24.07,62.71 23.93,62.57 v1(23.29,62.57) ; U117#2.42 53.61,47.59 52.73,46.71 52.07,46.71 51.93,46.57 v1(51.29,46.57) ; U119#2.42 67.61,47.59 66.73,46.71 66.07,46.71 65.93,46.57 v1(65.29,46.57) ; U107#2.42 53.61,25.59 52.73,24.71 52.07,24.71 51.93,24.57 v1(51.29,24.57) ; U115.42 39.61,9.59 38.73,8.71 38.07,8.71 37.93,8.57 v1(37.29,8.57) ; U105.42 39.61,25.59 38.73,24.71 38.07,24.71 37.93,24.57 v1(37.29,24.57) ; U101#2.42 11.61,25.59 10.73,24.71 10.07,24.71 9.93,24.57 v1(9.29,24.57) ; v1(65.29,24.57) 65.93,24.57 66.07,24.71 66.73,24.71 67.61,25.59 U109#2.42 ; v1(9.29,62.57) 9.93,62.57 10.07,62.71 10.73,62.71 11.61,63.59 U101.42 ; U113.42 25.61,47.59 24.73,46.71 24.07,46.71 23.93,46.57 v1(23.29,46.57) ; U117.42 53.61,9.59 52.73,8.71 52.07,8.71 51.93,8.57 v1(51.29,8.57) ; v1(37.29,46.57) 37.93,46.57 38.07,46.71 38.73,46.71 39.61,47.59 U115#2.42 ; U113#2.42 25.61,9.59 24.73,8.71 24.07,8.71 23.93,8.57 v1(23.29,8.57) ; v1(65.29,8.57) 65.93,8.57 66.07,8.71 66.73,8.71 67.61,9.59 U119.42